# KiCad board Collins-FMS-3000.kicad_pcb
date: ${DATE}; rev: ${VERSION}
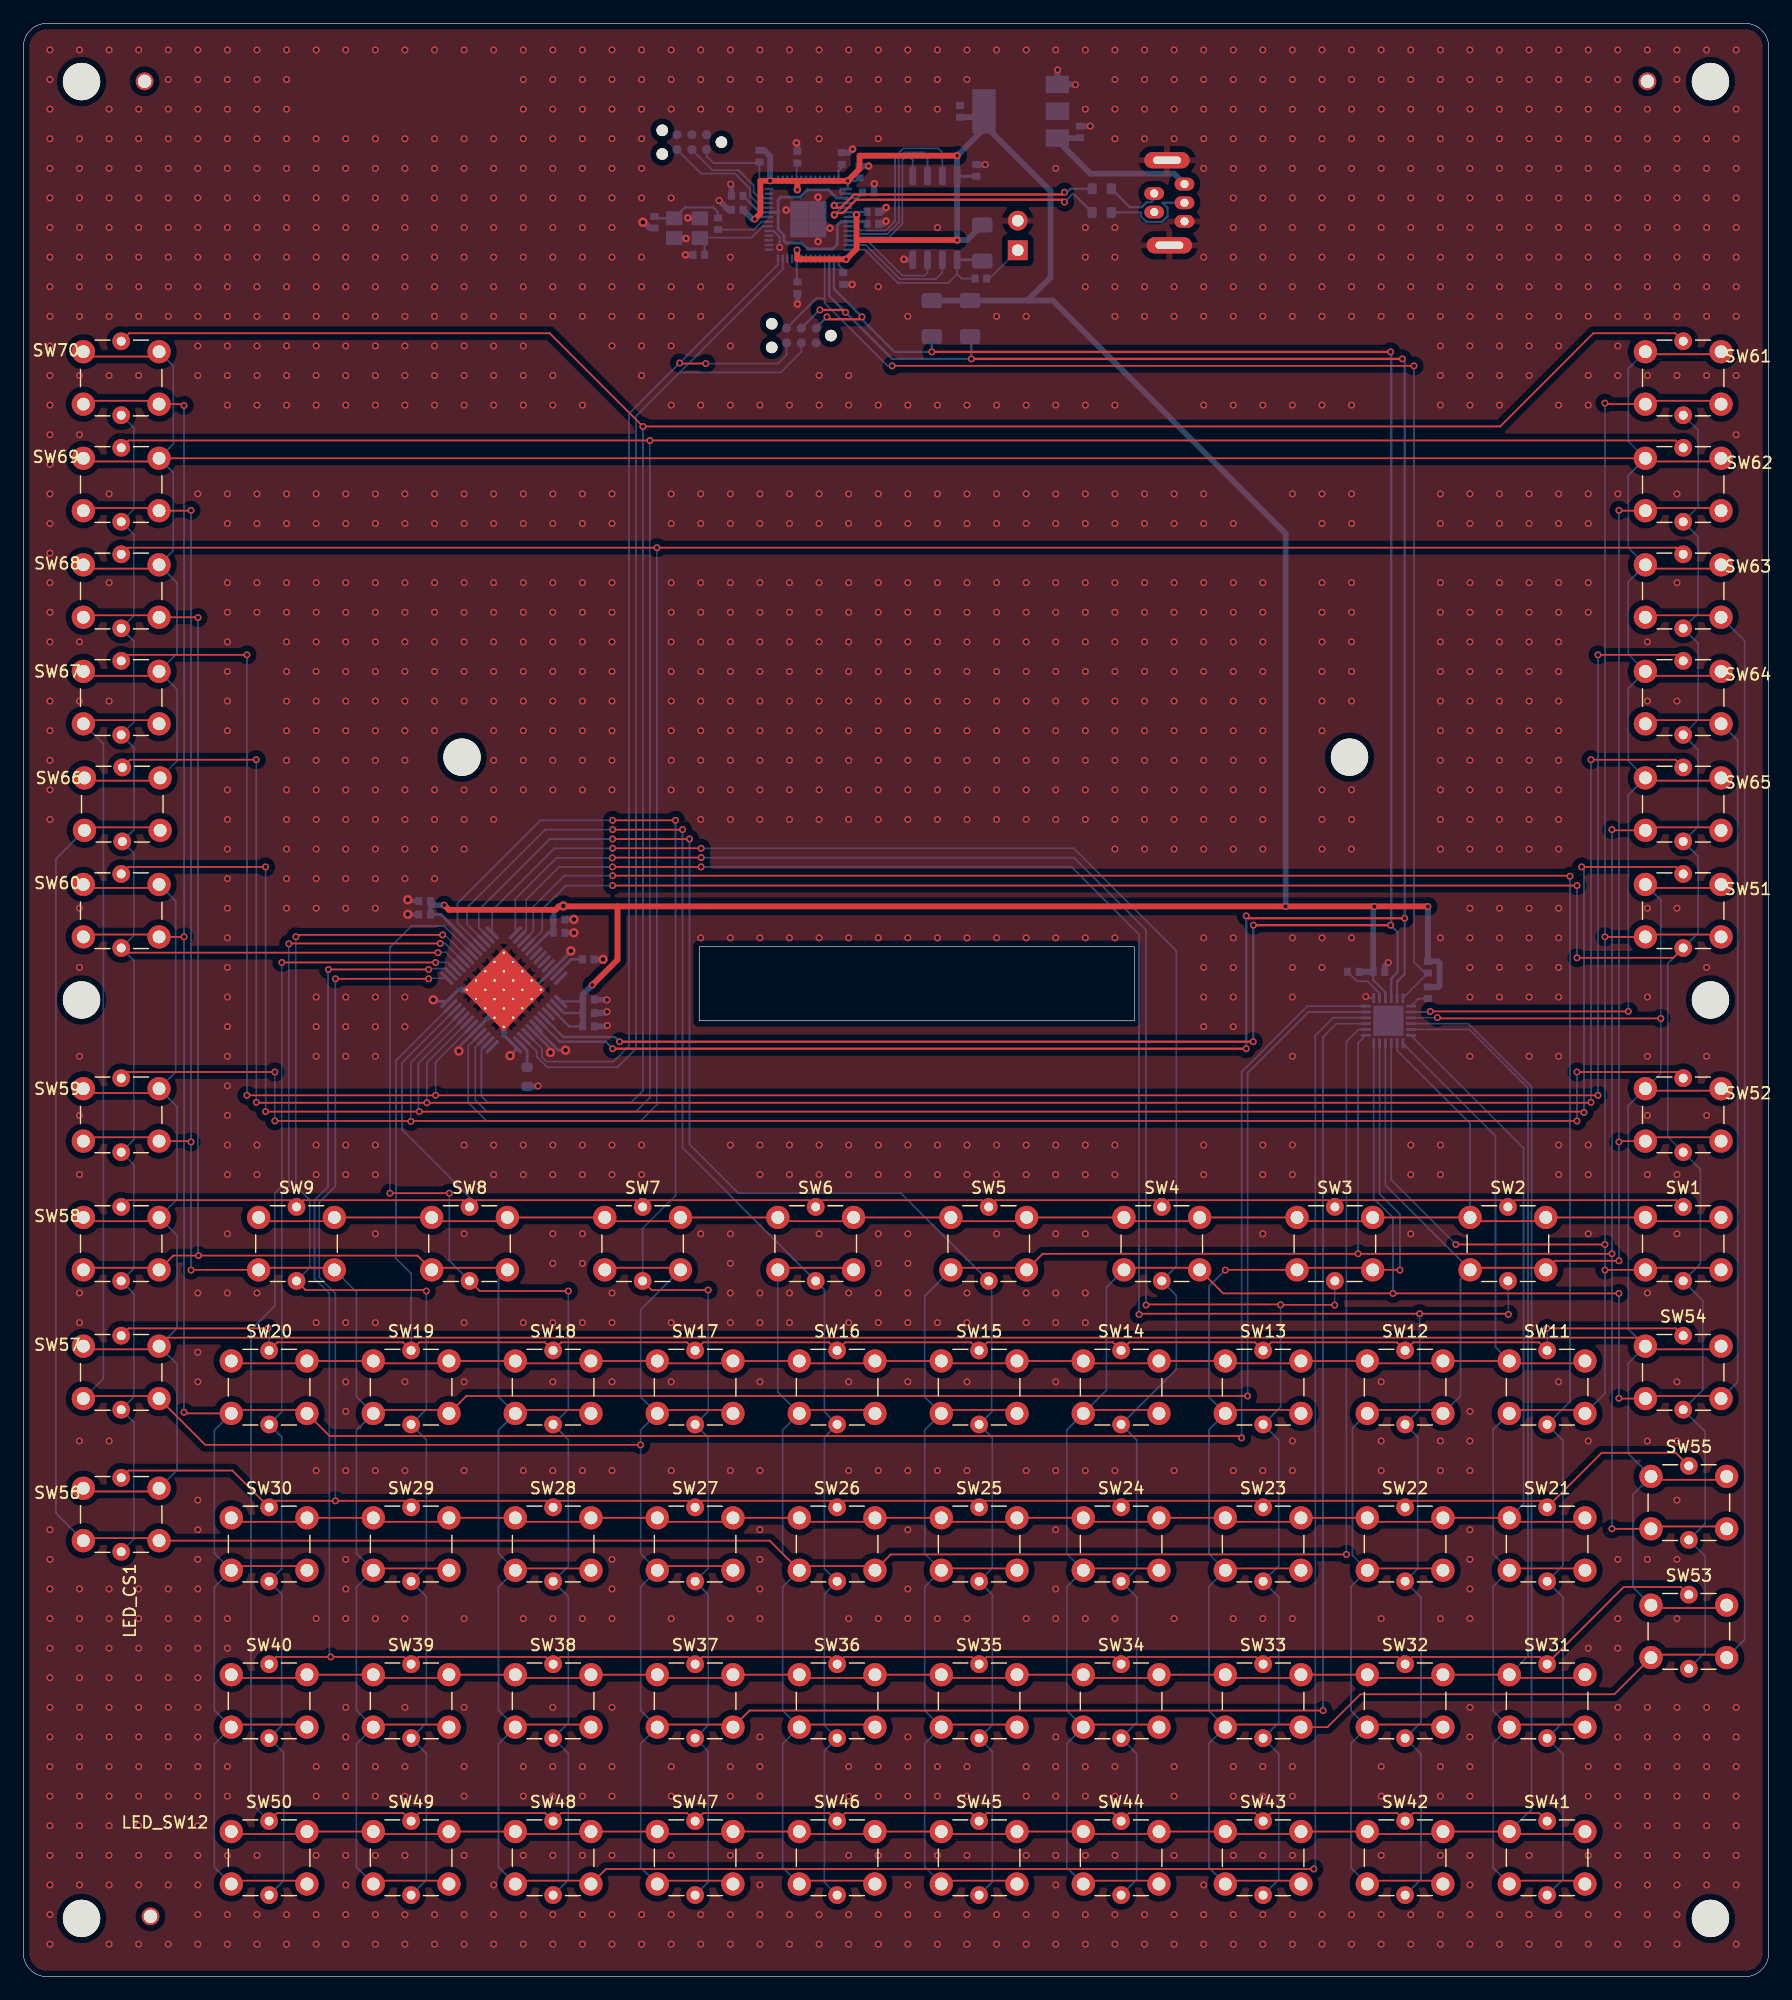
[diagram p0: board, top side]
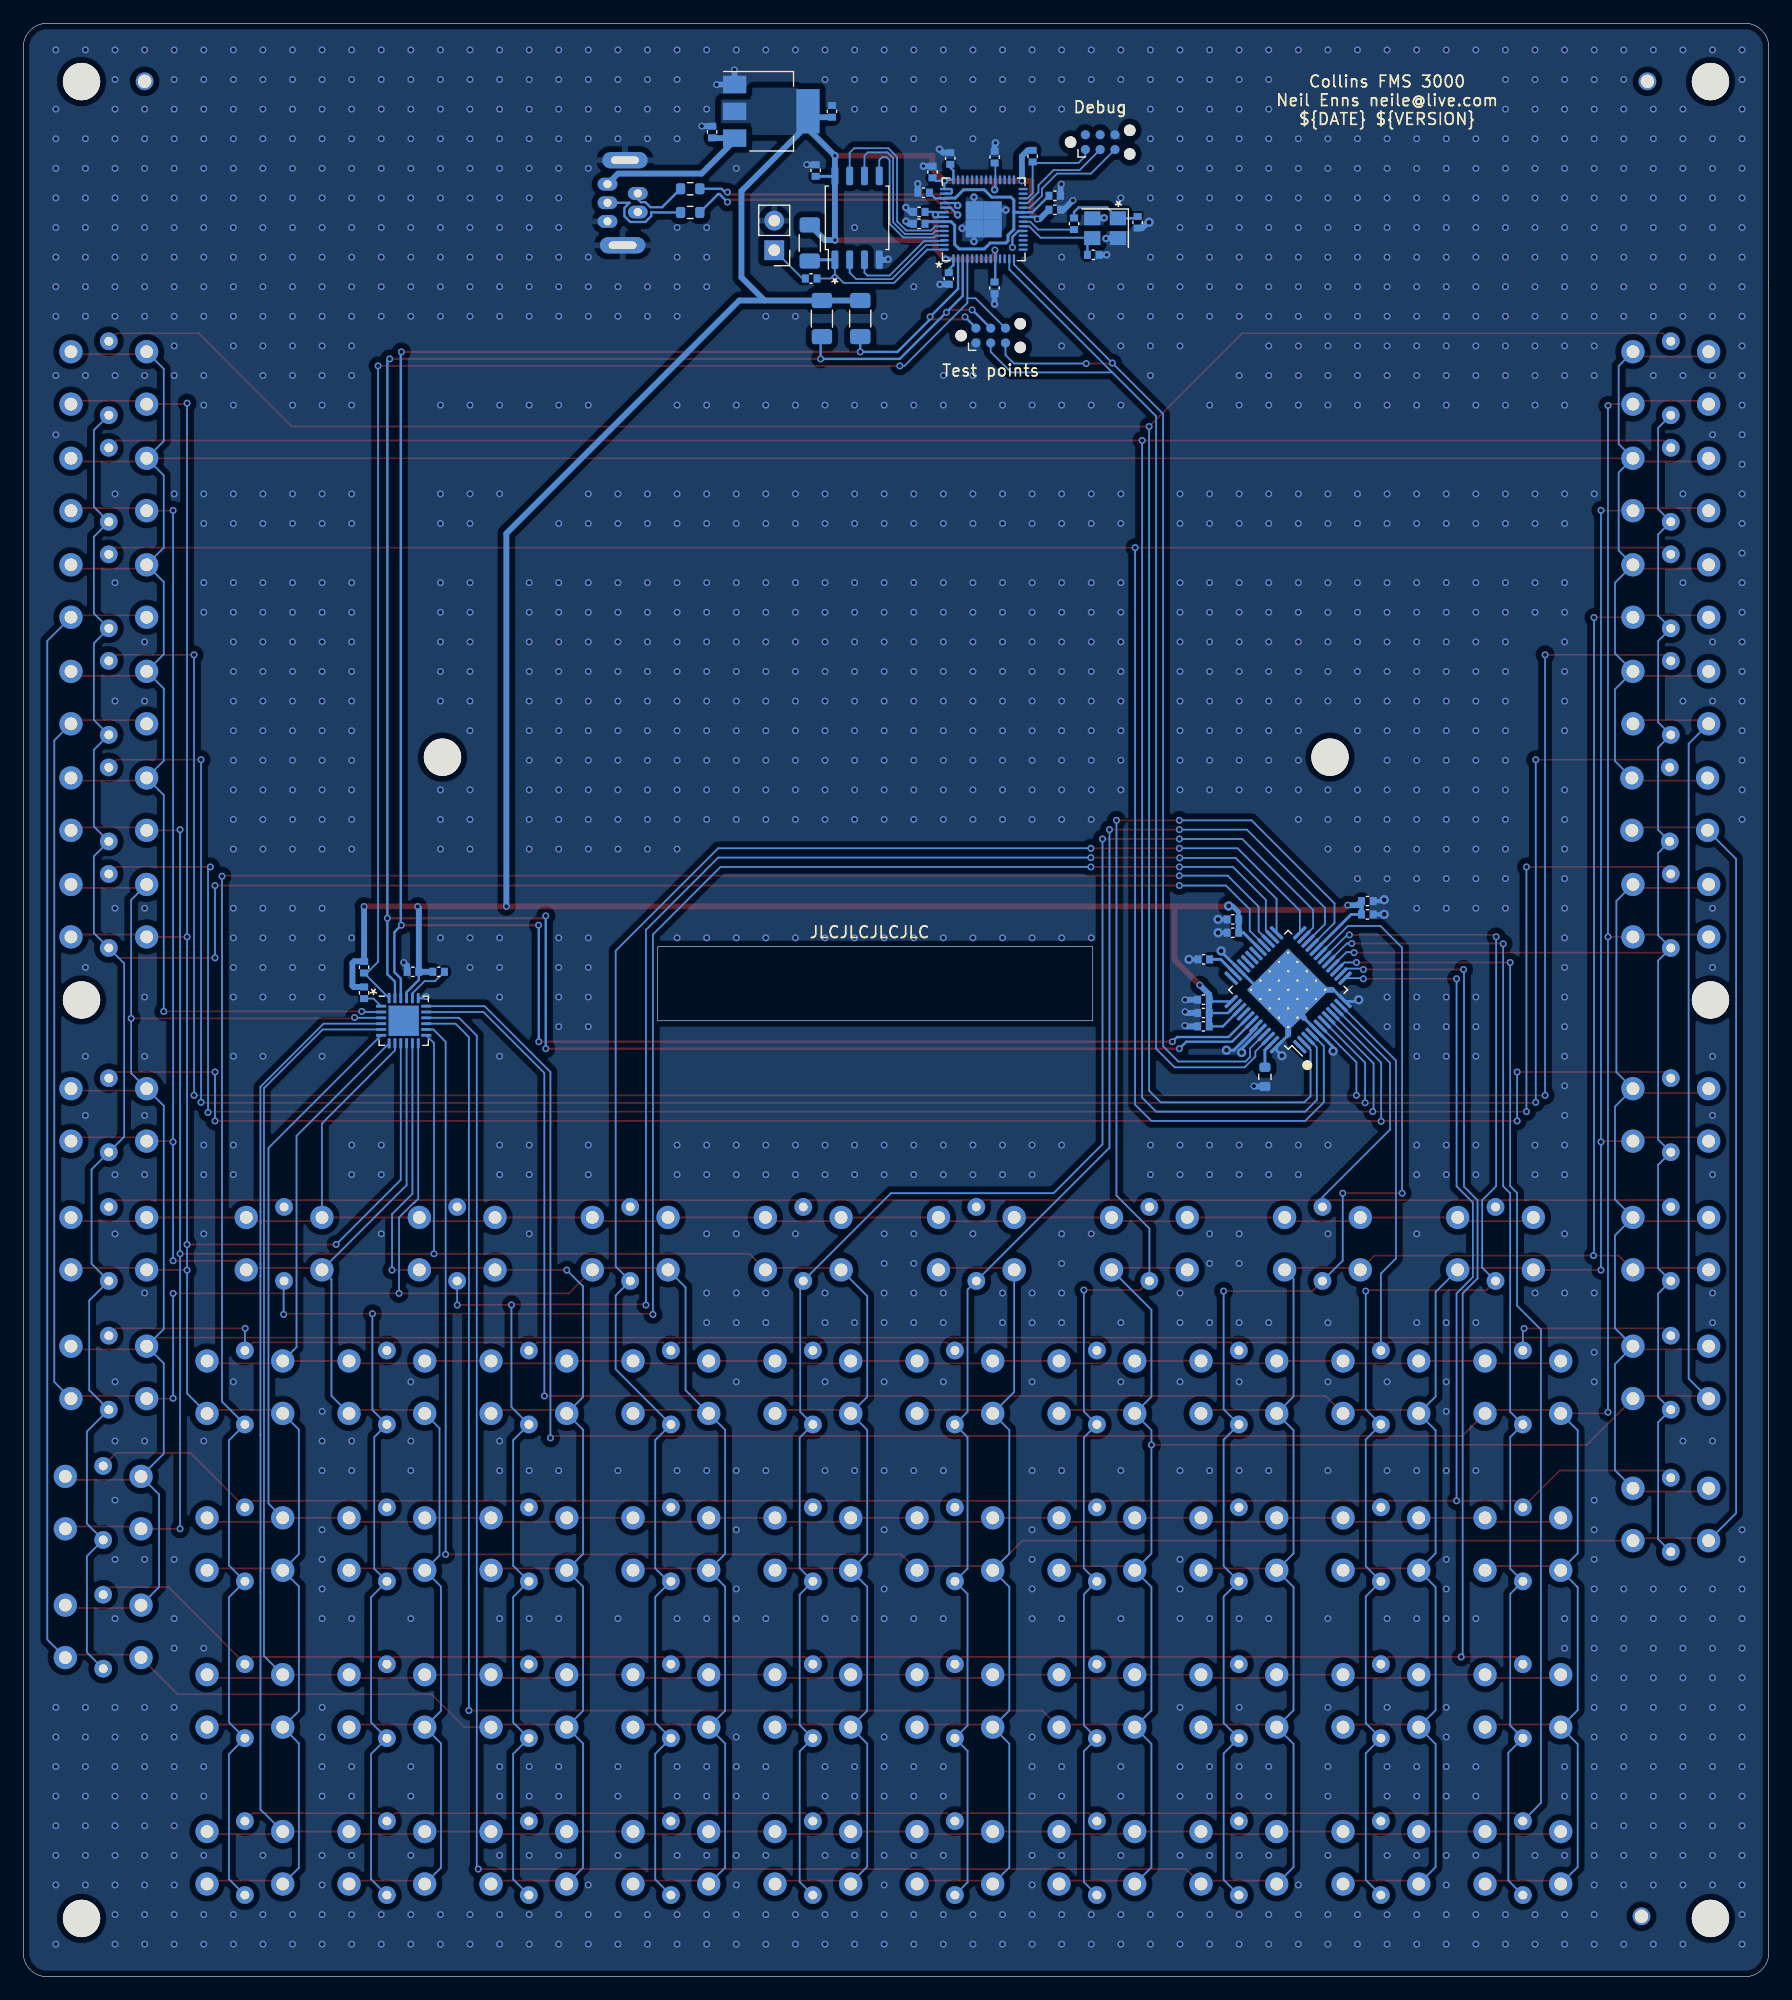
[diagram p1: board, bottom side, seen from below]

Outline 149.86 x 167.64 mm; copper layers: Top, Bottom. Coordinates in mm from the lower left corner of the outline.
Outline path: rectangle 58.04,88.4 95.4,82.04 ; 0,165.61 0,2.03 arc(0.6,0.6) 2.03,0 147.83,0 arc(149.26,0.6) 149.86,2.03 149.86,165.61 arc(149.26,167.04) 147.83,167.64 2.03,167.64 arc(0.6,167.04) 0,165.61
Stack: Top 0.035mm / dielectric 1.51mm FR4 er 4.5 / Bottom 0.035mm

## Placement (name value [footprint] x y rotation side)
C1  1uF  [Perfect_0402]  116.4 86.24 0 bottom
C5  10pF  [Perfect_0402]  58 147.77 180 bottom
C6  10pF  [Perfect_0402]  54.19 150.56 270 bottom
C7  10uF  [Perfect_0402]  90.72 158.31 90 bottom
C8  1uF  [Perfect_0402]  81.83 155.01 90 bottom
C9  10uF  [Perfect_0402]  80.43 160.08 90 bottom
C10  1uF  [Perfect_0402]  72.56 153.1 0 bottom
C11  1uF  [Perfect_0402]  61.3 152.84 180 bottom
C12  1uF  [Perfect_0402]  72.94 150.44 0 bottom
C13  1uF  [Perfect_0402]  71.8 154.88 90 bottom
C14  1uF  [Perfect_0402]  70.27 156.04 90 bottom
C15  1uF  [Perfect_0402]  66.46 156.15 90 bottom
C16  1uF  [Perfect_0402]  61.3 151.64 180 bottom
C17  1uF  [Perfect_0402]  66.47 144.94 270 bottom
C18  1uF  [Perfect_0402]  70.4 145.74 270 bottom
C19  1uF  [Perfect_0402]  72.94 151.45 0 bottom
C22  470nf  [Perfect_0402]  34.46 91.16 180 bottom
C23  470nf  [Perfect_0402]  46 89.59 0 bottom
C24  470nf  [Perfect_0402]  48.53 83.85 0 bottom
C25  100nf  [Perfect_0402]  34.46 92.31 180 bottom
C26  100nf  [Perfect_0402]  46 90.74 0 bottom
C27  100nf  [Perfect_0402]  48.53 82.7 0 bottom
C28  470nf  [Perfect_0402]  48.53 81.56 0 bottom
H1  MountingHole  [MountingHole_3.2mm_M3]  5 162.64 0 top
H2  MountingHole  [MountingHole_3.2mm_M3]  144.86 162.64 0 top
H3  MountingHole  [MountingHole_3.2mm_M3]  5 83.82 0 top
H4  MountingHole  [MountingHole_3.2mm_M3]  144.86 83.82 0 top
H5  MountingHole  [MountingHole_3.2mm_M3]  5 5 0 top
H6  MountingHole  [MountingHole_3.2mm_M3]  144.86 5 0 top
H7  MountingHole  [MountingHole_3.2mm_M3]  37.67 104.66 0 top
H8  MountingHole  [MountingHole_3.2mm_M3]  113.87 104.66 0 top
H9  MountingHole  [JLCPCB_Tooling_Hole]  10.41 162.56 0 top
H10  MountingHole  [JLCPCB_Tooling_Hole]  10.92 5.08 0 top
H11  MountingHole  [JLCPCB_Tooling_Hole]  139.45 162.56 0 top
J1  USB_B_Micro  [USB_B_Mini_Amphenol_UE25BE5510H]  98.4 152.24 90 bottom
J2  Conn_01x02  [PinHeader_1x02_P2.54mm_Vertical]  85.38 148.16 0 bottom
J3  TC2030-IDC-NL  [Tag-Connect_TC2030-IDC-NL_2x03_P1.27mm_Vertical]  66.8 140.84 180 bottom
J4  TC2030-IDC-NL  [Tag-Connect_TC2030-IDC-NL_2x03_P1.27mm_Vertical]  57.4 157.44 180 bottom
R1  1k  [Perfect_0402]  82.21 145.74 0 bottom
R2  1k  [Perfect_0402]  59.65 150.44 90 bottom
R3  DNF  [R_1206_3216Metric_Pad1.30x1.75mm_HandSolder]  82.34 148.79 270 bottom
R4  27  [R_0603_1608Metric]  92.6 151.41 180 bottom
R5  27  [R_0603_1608Metric]  92.6 153.44 180 bottom
R6  47k  [Perfect_0402]  48.5 87.31 0 bottom
R7  100k  [R_0603_1608Metric]  43.26 77.22 270 bottom
R8  10k  [Perfect_0402]  114.2 86.24 180 bottom
R9  10k  [Perfect_0402]  120.6 86.64 270 bottom
R10  10k  [R_1206_3216Metric_Pad1.30x1.75mm_HandSolder]  81.29 142.3 270 bottom
R11  10k  [R_1206_3216Metric_Pad1.30x1.75mm_HandSolder]  78 142.3 270 bottom
R12  10k  [Perfect_0402]  120.6 84.44 270 bottom
R13  10k  [Perfect_0402]  63.2 156.24 270 bottom
SW1  SW_Push_LED  [SW_PUSH_LED_THT]  142.47 62.96 0 top
SW2  SW_Push_LED  [SW_PUSH_LED_THT]  127.42 62.96 0 top
SW3  SW_Push_LED  [SW_PUSH_LED_THT]  112.56 62.96 0 top
SW4  SW_Push_LED  [SW_PUSH_LED_THT]  97.7 62.96 0 top
SW5  SW_Push_LED  [SW_PUSH_LED_THT]  82.84 62.96 0 top
SW6  SW_Push_LED  [SW_PUSH_LED_THT]  67.99 62.96 0 top
SW7  SW_Push_LED  [SW_PUSH_LED_THT]  53.13 62.96 0 top
SW8  SW_Push_LED  [SW_PUSH_LED_THT]  38.27 62.96 0 top
SW9  SW_Push_LED  [SW_PUSH_LED_THT]  23.41 62.96 0 top
SW11  SW_Push_LED  [SW_PUSH_LED_THT]  130.79 50.64 0 top
SW12  SW_Push_LED  [SW_PUSH_LED_THT]  118.59 50.64 0 top
SW13  SW_Push_LED  [SW_PUSH_LED_THT]  106.4 50.64 0 top
SW14  SW_Push_LED  [SW_PUSH_LED_THT]  94.21 50.64 0 top
SW15  SW_Push_LED  [SW_PUSH_LED_THT]  82.02 50.64 0 top
SW16  SW_Push_LED  [SW_PUSH_LED_THT]  69.83 50.64 0 top
SW17  SW_Push_LED  [SW_PUSH_LED_THT]  57.63 50.64 0 top
SW18  SW_Push_LED  [SW_PUSH_LED_THT]  45.44 50.64 0 top
SW19  SW_Push_LED  [SW_PUSH_LED_THT]  33.25 50.64 0 top
SW20  SW_Push_LED  [SW_PUSH_LED_THT]  21.06 50.64 0 top
SW21  SW_Push_LED  [SW_PUSH_LED_THT]  130.79 37.18 0 top
SW22  SW_Push_LED  [SW_PUSH_LED_THT]  118.59 37.18 0 top
SW23  SW_Push_LED  [SW_PUSH_LED_THT]  106.4 37.18 0 top
SW24  SW_Push_LED  [SW_PUSH_LED_THT]  94.21 37.18 0 top
SW25  SW_Push_LED  [SW_PUSH_LED_THT]  82.02 37.18 0 top
SW26  SW_Push_LED  [SW_PUSH_LED_THT]  69.83 37.18 0 top
SW27  SW_Push_LED  [SW_PUSH_LED_THT]  57.63 37.18 0 top
SW28  SW_Push_LED  [SW_PUSH_LED_THT]  45.44 37.18 0 top
SW29  SW_Push_LED  [SW_PUSH_LED_THT]  33.25 37.18 0 top
SW30  SW_Push_LED  [SW_PUSH_LED_THT]  21.06 37.18 0 top
SW31  SW_Push_LED  [SW_PUSH_LED_THT]  130.79 23.72 0 top
SW32  SW_Push_LED  [SW_PUSH_LED_THT]  118.59 23.72 0 top
SW33  SW_Push_LED  [SW_PUSH_LED_THT]  106.4 23.72 0 top
SW34  SW_Push_LED  [SW_PUSH_LED_THT]  94.21 23.72 0 top
SW35  SW_Push_LED  [SW_PUSH_LED_THT]  82.02 23.72 0 top
SW36  SW_Push_LED  [SW_PUSH_LED_THT]  69.83 23.72 0 top
SW37  SW_Push_LED  [SW_PUSH_LED_THT]  57.63 23.72 0 top
SW38  SW_Push_LED  [SW_PUSH_LED_THT]  45.44 23.72 0 top
SW39  SW_Push_LED  [SW_PUSH_LED_THT]  33.25 23.72 0 top
SW40  SW_Push_LED  [SW_PUSH_LED_THT]  21.06 23.72 0 top
SW41  SW_Push_LED  [SW_PUSH_LED_THT]  130.79 10.25 0 top
SW42  SW_Push_LED  [SW_PUSH_LED_THT]  118.59 10.25 0 top
SW43  SW_Push_LED  [SW_PUSH_LED_THT]  106.4 10.25 0 top
SW44  SW_Push_LED  [SW_PUSH_LED_THT]  94.21 10.25 0 top
SW45  SW_Push_LED  [SW_PUSH_LED_THT]  82.02 10.25 0 top
SW46  SW_Push_LED  [SW_PUSH_LED_THT]  69.83 10.25 0 top
SW47  SW_Push_LED  [SW_PUSH_LED_THT]  57.63 10.25 0 top
SW48  SW_Push_LED  [SW_PUSH_LED_THT]  45.44 10.25 0 top
SW49  SW_Push_LED  [SW_PUSH_LED_THT]  33.25 10.25 0 top
SW50  SW_Push_LED  [SW_PUSH_LED_THT]  21.06 10.25 0 top
SW51  SW_Push_LED  [SW_PUSH_LED_THT]  142.47 91.53 0 top
SW52  SW_Push_LED  [SW_PUSH_LED_THT]  142.47 74.01 0 top
SW53  SW_Push_LED  [SW_PUSH_LED_THT]  142.95 29.68 0 top
SW54  SW_Push_LED  [SW_PUSH_LED_THT]  142.47 51.91 0 top
SW55  SW_Push_LED  [SW_PUSH_LED_THT]  142.95 40.73 0 top
SW56  SW_Push_LED  [SW_PUSH_LED_THT]  8.36 39.72 0 top
SW57  SW_Push_LED  [SW_PUSH_LED_THT]  8.36 51.91 0 top
SW58  SW_Push_LED  [SW_PUSH_LED_THT]  8.36 62.96 0 top
SW59  SW_Push_LED  [SW_PUSH_LED_THT]  8.36 74.01 0 top
SW60  SW_Push_LED  [SW_PUSH_LED_THT]  8.36 91.53 0 top
SW61  SW_Push_LED  [SW_PUSH_LED_THT]  142.47 137.25 0 top
SW62  SW_Push_LED  [SW_PUSH_LED_THT]  142.47 128.11 0 top
SW63  SW_Push_LED  [SW_PUSH_LED_THT]  142.47 118.97 0 top
SW64  SW_Push_LED  [SW_PUSH_LED_THT]  142.47 109.82 0 top
SW65  SW_Push_LED  [SW_PUSH_LED_THT]  142.47 100.68 0 top
SW66  SW_Push_LED  [SW_PUSH_LED_THT]  8.45 100.68 0 top
SW67  SW_Push_LED  [SW_PUSH_LED_THT]  8.36 109.82 0 top
SW68  SW_Push_LED  [SW_PUSH_LED_THT]  8.36 118.97 0 top
SW69  SW_Push_LED  [SW_PUSH_LED_THT]  8.36 128.11 0 top
SW70  SW_Push_LED  [SW_PUSH_LED_THT]  8.36 137.25 0 top
U1  AMS1117-3.3  [SOT-223-3_TabPin2]  85.64 160.09 180 bottom
U2  TCA8418  [WQFN-24-1EP_4x4mm_P0.5mm_EP2.6x2.6mm]  117.2 82.04 180 bottom
U4  IS31FL3733B  [TQFP-48-1EP_7x7mm_P0.5mm_EP5x5mm_ThermalVias]  41.26 84.7 45 bottom
U5  W25Q128JVS  [SOIC-8_5.23x5.23mm_P1.27mm]  78.27 150.94 90 bottom
U6  RP2040  [QFN56P40_700X700X90L40X18T310N]  67.4 150.82 180 bottom
Y1  X322512MSB4SI  [Crystal_SMD_3225-4Pin_3.2x2.5mm]  56.98 150.06 0 bottom

## Library data of the parts
C1 C8 C10-C19 = -: JLC: 0402; MPN - JLCPCB: C52923
C5 C6 = -: JLC: 0402; MPN - JLCPCB: C32949
C7 C9 = -: JLC: 0603; MPN - JLCPCB: C19702
C22-C24 C28 = -: JLC: 0402; MPN - JLCPCB: C47339
C25-C27 = -: JLC: 0402; MPN - JLCPCB: C1525
R1 R2 = -: JLC: 0402; MPN - JLCPCB: C11702
R4 R5 = -: JLC: 0603; MPN - JLCPCB: C25190
R6 = -: JLC: 0402; MPN - JLCPCB: C25792
R7 = -: JLC: 0603; MPN - JLCPCB: C25803
R8 R9 R12 R13 = -: MPN - JLCPCB: C25744
R10 R11 = -: MPN - JLCPCB: C17902
U1 = -: JLC: SOT-223; MPN - JLCPCB: C6186
U2 = -: MPN - JLCPCB: C138713
U5 = -: JLC: SOIC-8_5.3x5.3x1.27P; MPN - JLCPCB: C97521
U6 = -: JLC: LQFN-56_EP_7.0x7.0x0.4P; MPN - JLCPCB: C2040
Y1 = -: JLC: SMD-3225_4P; MPN - JLCPCB: C9002

## Footprints (pads in the part's own frame, mm; a bottom-side part is the same pattern mirrored in y, then rotated)
Crystal_SMD_3225-4Pin_3.2x2.5mm
  rect 1.4x1.2 smd: 1(-1.1,-0.85) 2(1.1,-0.85) 3(1.1,0.85) 4(-1.1,0.85)
JLCPCB_Tooling_Hole
  round 1.524 hole 1.152 unplated: (0,0.1)
MountingHole_3.2mm_M3
  round 3.2 hole 3.2 unplated: (0,0)
Perfect_0402
  rect 0.6x0.7 smd: 1(-0.5,0) 2(0.5,0)
PinHeader_1x02_P2.54mm_Vertical
  rect 1.7x1.7 hole 1: 1(0,0)
  oval 1.7x1.7 hole 1: 2(0,-2.54)
QFN56P40_700X700X90L40X18T310N
  rect 1.1x1.1 smd: (-0.775,-0.775) (-0.775,0.775) (0.775,-0.775) (0.775,0.775)
  rrect 0.2x0.76 smd: 1(-2.6,-3.385) 2(-2.2,-3.385) 3(-1.8,-3.385) 4(-1.4,-3.385) 5(-1,-3.385) 6(-0.6,-3.385) 7(-0.2,-3.385) 8(0.2,-3.385) 9(0.6,-3.385) 10(1,-3.385) 11(1.4,-3.385) 12(1.8,-3.385) 13(2.2,-3.385) 14(2.6,-3.385) 29(2.6,3.385) 30(2.2,3.385) 31(1.8,3.385) 32(1.4,3.385) 33(1,3.385) 34(0.6,3.385) 35(0.2,3.385) 36(-0.2,3.385) 37(-0.6,3.385) 38(-1,3.385) 39(-1.4,3.385) 40(-1.8,3.385) 41(-2.2,3.385) 42(-2.6,3.385)
  rrect 0.76x0.2 smd: 15(3.385,-2.6) 16(3.385,-2.2) 17(3.385,-1.8) 18(3.385,-1.4) 19(3.385,-1) 20(3.385,-0.6) 21(3.385,-0.2) 22(3.385,0.2) 23(3.385,0.6) 24(3.385,1) 25(3.385,1.4) 26(3.385,1.8) 27(3.385,2.2) 28(3.385,2.6) 43(-3.385,2.6) 44(-3.385,2.2) 45(-3.385,1.8) 46(-3.385,1.4) 47(-3.385,1) 48(-3.385,0.6) 49(-3.385,0.2) 50(-3.385,-0.2) 51(-3.385,-0.6) 52(-3.385,-1) 53(-3.385,-1.4) 54(-3.385,-1.8) 55(-3.385,-2.2) 56(-3.385,-2.6)
  rect 1.55x1.55 smd: 57(-0.775,-0.775) 57(-0.775,0.775) 57(0.775,-0.775) 57(0.775,0.775)
R_0603_1608Metric
  rrect 0.8x0.95 smd: 1(-0.825,0) 2(0.825,0)
R_1206_3216Metric_Pad1.30x1.75mm_HandSolder
  rrect 1.3x1.75 smd: 1(-1.55,0) 2(1.55,0)
SOIC-8_5.23x5.23mm_P1.27mm
  rrect 1.6x0.6 smd: 1(-3.6,1.905) 2(-3.6,0.635) 3(-3.6,-0.635) 4(-3.6,-1.905) 5(3.6,-1.905) 6(3.6,-0.635) 7(3.6,0.635) 8(3.6,1.905)
SOT-223-3_TabPin2
  rect 2x1.5 smd: 1(-3.15,2.3) 2(-3.15,0) 3(-3.15,-2.3)
  rect 2x3.8 smd: 2(3.15,0)
SW_PUSH_LED_THT
  round 2 hole 1.1: 1(-3.202,2.202) 1(3.298,2.202) 2(-3.202,-2.298) 2(3.298,-2.298)
  round 1.524 hole 0.762: 3(0.048,3.102) 4(0.048,-3.248)
Tag-Connect_TC2030-IDC-NL_2x03_P1.27mm_Vertical
  round 0.991 hole 0.991 unplated: (-2.54,0) (2.54,-1.016) (2.54,1.016)
  round 0.787 smd: 1(-1.27,-0.635) 2(-1.27,0.635) 3(0,-0.635) 4(0,0.635) 5(1.27,-0.635) 6(1.27,0.635)
TQFP-48-1EP_7x7mm_P0.5mm_EP5x5mm_ThermalVias
  custom 1.008x1.008 smd: (-1.688,-1.688) (-1.688,-0.562) (-1.688,0.562) (-1.688,1.688) (-0.562,-1.688) (-0.562,-0.562) (-0.562,0.562) (-0.562,1.688) (0.562,-1.688) (0.562,-0.562) (0.562,0.562) (0.562,1.688) (1.688,-1.688) (1.688,-0.562) (1.688,0.562) (1.688,1.688)
  rrect 1.475x0.3 smd: 1(-4.162,2.75) 2(-4.162,2.25) 3(-4.162,1.75) 4(-4.162,1.25) 5(-4.162,0.75) 6(-4.162,0.25) 7(-4.162,-0.25) 8(-4.162,-0.75) 9(-4.162,-1.25) 10(-4.162,-1.75) 11(-4.162,-2.25) 12(-4.162,-2.75) 25(4.162,-2.75) 26(4.162,-2.25) 27(4.162,-1.75) 28(4.162,-1.25) 29(4.162,-0.75) 30(4.162,-0.25) 31(4.162,0.25) 32(4.162,0.75) 33(4.162,1.25) 34(4.162,1.75) 35(4.162,2.25) 36(4.162,2.75)
  rrect 0.3x1.475 smd: 13(-2.75,-4.162) 14(-2.25,-4.162) 15(-1.75,-4.162) 16(-1.25,-4.162) 17(-0.75,-4.162) 18(-0.25,-4.162) 19(0.25,-4.162) 20(0.75,-4.162) 21(1.25,-4.162) 22(1.75,-4.162) 23(2.25,-4.162) 24(2.75,-4.162) 37(2.75,4.162) 38(2.25,4.162) 39(1.75,4.162) 40(1.25,4.162) 41(0.75,4.162) 42(0.25,4.162) 43(-0.25,4.162) 44(-0.75,4.162) 45(-1.25,4.162) 46(-1.75,4.162) 47(-2.25,4.162) 48(-2.75,4.162)
  round 0.5 hole 0.2: 49(-2.25,-2.25) 49(-2.25,-1.125) 49(-2.25,0) 49(-2.25,1.125) 49(-2.25,2.25) 49(-1.125,-2.25) 49(-1.125,-1.125) 49(-1.125,0) 49(-1.125,1.125) 49(-1.125,2.25) 49(0,-2.25) 49(0,-1.125) 49(0,0) 49(0,1.125) 49(0,2.25) 49(1.125,-2.25) 49(1.125,-1.125) 49(1.125,0) 49(1.125,1.125) 49(1.125,2.25) 49(2.25,-2.25) 49(2.25,-1.125) 49(2.25,0) 49(2.25,1.125) 49(2.25,2.25)
  rect 5x5 smd far side: 49(0,0)
  rect 5x5 smd: 49(0,0)
USB_B_Mini_Amphenol_UE25BE5510H
  oval 1.1x1.7 hole 0.7: 1(1.6,1.3) 2(0.8,-1.3) 3(0,1.3) 4(-0.8,-1.3) 5(-1.6,1.3)
  oval 1.4x3.9 hole 0.65x2.4: 6(-3.65,0) 6(3.65,-0.2)
WQFN-24-1EP_4x4mm_P0.5mm_EP2.6x2.6mm
  rrect 1.05x1.05 smd: (-0.65,-0.65) (-0.65,0.65) (0.65,-0.65) (0.65,0.65)
  rrect 0.875x0.25 smd: 1(-1.938,1.25) 2(-1.938,0.75) 3(-1.938,0.25) 4(-1.938,-0.25) 5(-1.938,-0.75) 6(-1.938,-1.25) 13(1.938,-1.25) 14(1.938,-0.75) 15(1.938,-0.25) 16(1.938,0.25) 17(1.938,0.75) 18(1.938,1.25)
  rrect 0.25x0.875 smd: 7(-1.25,-1.938) 8(-0.75,-1.938) 9(-0.25,-1.938) 10(0.25,-1.938) 11(0.75,-1.938) 12(1.25,-1.938) 19(1.25,1.938) 20(0.75,1.938) 21(0.25,1.938) 22(-0.25,1.938) 23(-0.75,1.938) 24(-1.25,1.938)
  rect 2.6x2.6 smd: 25(0,0)

## Nets
+1V1: C10.1 C11.1 C12.1 U6.23 U6.45 U6.50
+3V3: C1.1 C8.1 C9.1 C13.1 C14.1 C15.1 C16.1 C17.1 C18.1 C19.1 C22.1 C23.1 C24.1 C25.1 C26.1 C27.1 C28.1 R3.1 R8.1 R9.1 R10.1 R11.1 R12.1 R13.1 U1.2 U2.21 U4.20 U4.29 U4.37 U4.38 U4.39 U5.8 U6.1 U6.10 U6.22 U6.33 U6.42 U6.43 U6.44 U6.48 U6.49
GND: C1.2 C5.2 C6.2 C7.2 C8.2 C9.2 C10.2 C11.2 C12.2 C13.2 C14.2 C15.2 C16.2 C17.2 C18.2 C19.2 C22.2 C23.2 C24.2 C25.2 C26.2 C27.2 C28.2 J1.5 J1.6 J2.2 J3.1 J4.6 R6.2 R7.2 U1.1 U2.19 U4.5 U4.12 U4.34 U4.43 U4.44 U4.48 U4.49 U5.4 U6.19 U6.57 Y1.2 Y1.4
VBUS: C7.1 J1.1 U1.3
/Buttons/COL0: SW1.2 SW11.2 SW21.2 SW31.2 SW41.2 SW51.2 SW61.2 U2.9
/Buttons/COL1: SW2.2 SW12.2 SW22.2 SW32.2 SW42.2 SW52.2 SW62.2 U2.10
/Buttons/COL2: SW3.2 SW13.2 SW23.2 SW33.2 SW43.2 SW53.2 SW63.2 U2.11
/Buttons/COL3: SW4.2 SW14.2 SW24.2 SW34.2 SW44.2 SW54.2 SW64.2 U2.12
/Buttons/COL4: SW5.2 SW15.2 SW25.2 SW35.2 SW45.2 SW55.2 SW65.2 U2.13
/Buttons/COL5: SW6.2 SW16.2 SW26.2 SW36.2 SW46.2 SW56.2 SW66.2 U2.14
/Buttons/COL6: SW7.2 SW17.2 SW27.2 SW37.2 SW47.2 SW57.2 SW67.2 U2.15
/Buttons/COL7: SW8.2 SW18.2 SW28.2 SW38.2 SW48.2 SW58.2 SW68.2 U2.16
/Buttons/COL8: SW9.2 SW19.2 SW29.2 SW39.2 SW49.2 SW59.2 SW69.2 U2.17
/Buttons/COL9: SW20.2 SW30.2 SW40.2 SW50.2 SW60.2 SW70.2 U2.18
/Buttons/ROW0: SW1.1 SW2.1 SW3.1 SW4.1 SW5.1 SW6.1 SW7.1 SW8.1 SW9.1 U2.8
/Buttons/ROW1: SW11.1 SW12.1 SW13.1 SW14.1 SW15.1 SW16.1 SW17.1 SW18.1 SW19.1 SW20.1 U2.7
/Buttons/ROW2: SW21.1 SW22.1 SW23.1 SW24.1 SW25.1 SW26.1 SW27.1 SW28.1 SW29.1 SW30.1 U2.6
/Buttons/ROW3: SW31.1 SW32.1 SW33.1 SW34.1 SW35.1 SW36.1 SW37.1 SW38.1 SW39.1 SW40.1 U2.5
/Buttons/ROW4: SW41.1 SW42.1 SW43.1 SW44.1 SW45.1 SW46.1 SW47.1 SW48.1 SW49.1 SW50.1 U2.4
/Buttons/ROW5: SW51.1 SW52.1 SW53.1 SW54.1 SW55.1 SW56.1 SW57.1 SW58.1 SW59.1 SW60.1 U2.3
/Buttons/ROW6: SW61.1 SW62.1 SW63.1 SW64.1 SW65.1 SW66.1 SW67.1 SW68.1 SW69.1 SW70.1 U2.2
/Buttons/ROW7: R12.2 U2.1
/Buttons/~{RESET}: R8.2 U2.20
/I2C_SCL: J3.4 R10.2 U2.23 U4.42 U6.3
/I2C_SDA: J3.2 R11.2 U2.22 U4.41 U6.2
/KEY_INT: J3.6 R9.2 U2.24 U6.4
/LED Matrix/CS1: SW56.4 SW57.4 SW58.4 SW59.4 SW60.4 SW66.4 SW67.4 SW68.4 SW69.4 SW70.4 U4.16
/LED Matrix/CS2: SW20.4 SW30.4 SW40.4 SW50.4 U4.17
/LED Matrix/CS3: SW9.4 SW19.4 SW29.4 SW39.4 SW49.4 U4.18
/LED Matrix/CS4: SW8.4 SW18.4 SW28.4 SW38.4 SW48.4 U4.19
/LED Matrix/CS5: SW7.4 SW17.4 SW27.4 SW37.4 SW47.4 U4.21
/LED Matrix/CS6: SW6.4 SW16.4 SW26.4 SW36.4 SW46.4 U4.22
/LED Matrix/CS7: SW5.4 SW15.4 SW25.4 SW35.4 SW45.4 U4.23
/LED Matrix/CS8: SW4.4 SW14.4 SW24.4 SW34.4 SW44.4 U4.24
/LED Matrix/CS9: SW3.4 SW13.4 SW23.4 SW33.4 SW43.4 U4.25
/LED Matrix/CS10: SW2.4 SW12.4 SW22.4 SW32.4 SW42.4 U4.26
/LED Matrix/CS11: SW11.4 SW21.4 SW31.4 SW41.4 U4.27
/LED Matrix/CS12: SW1.4 SW51.4 SW52.4 SW53.4 SW54.4 SW55.4 SW61.4 SW62.4 SW63.4 SW64.4 SW65.4 U4.28
/LED Matrix/SW1: SW61.3 SW70.3 U4.2
/LED Matrix/SW2: SW62.3 SW69.3 U4.3
/LED Matrix/SW3: SW63.3 SW68.3 U4.4
/LED Matrix/SW4: SW64.3 SW67.3 U4.6
/LED Matrix/SW5: SW65.3 SW66.3 U4.7
/LED Matrix/SW6: SW51.3 SW60.3 U4.8
/LED Matrix/SW7: SW52.3 SW59.3 U4.9
/LED Matrix/SW8: SW1.3 SW2.3 SW3.3 SW4.3 SW5.3 SW6.3 SW7.3 SW8.3 SW9.3 SW58.3 U4.10
/LED Matrix/SW9: SW11.3 SW12.3 SW13.3 SW14.3 SW15.3 SW16.3 SW17.3 SW18.3 SW19.3 SW20.3 SW54.3 SW57.3 U4.11
/LED Matrix/SW10: SW21.3 SW22.3 SW23.3 SW24.3 SW25.3 SW26.3 SW27.3 SW28.3 SW29.3 SW30.3 SW55.3 SW56.3 U4.13
/LED Matrix/SW11: SW31.3 SW32.3 SW33.3 SW34.3 SW35.3 SW36.3 SW37.3 SW38.3 SW39.3 SW40.3 SW53.3 U4.14
/LED Matrix/SW12: SW41.3 SW42.3 SW43.3 SW44.3 SW45.3 SW46.3 SW47.3 SW48.3 SW49.3 SW50.3 U4.15
/LED_INTB: J3.5 U4.45 U6.14
/RP2040/QSPI_SCLK: U5.6 U6.52
/RP2040/QSPI_SD0: U5.5 U6.53
/RP2040/QSPI_SD1: U5.2 U6.55
/RP2040/QSPI_SD2: U5.3 U6.54
/RP2040/QSPI_SD3: U5.7 U6.51
/RP2040/QSPI_SS: R1.1 R3.2 U5.1 U6.56
/RP2040/SWCLK: J4.5 U6.24
/RP2040/SWD: J4.3 U6.25
/RP2040/USB_D+: J1.3 R4.1
/RP2040/USB_D-: J1.2 R5.1
/RP2040/USB_D_R+: R4.2 U6.47
/RP2040/USB_D_R-: R5.2 U6.46
/RP2040/XIN: C5.1 U6.20 Y1.3
/RP2040/XOUT: C6.1 R2.2 Y1.1
/RP2040/XOUT_R: R2.1 U6.21
/RP2040/~{RST}: J4.1 R13.2 U6.26
/RP2040/~{USB_BOOT}: J2.1 R1.2
/SDB: J3.3 U4.46 U6.13
Net-(R6-Pad1): R6.1 U4.35
Net-(R7-Pad1): R7.1 U4.47

Pads without a net: J1 4; J4 2 4; U2 25; U4 1 30 31 32 33 36 40; U6 5 6 7 8 9 11 12 15 16 17 18 27 28 29 30 31 32 34 35 36 37 38 39 40 41

## Via types
v1: diameter 0.6, hole 0.35, Top to Bottom, 1831 vias
v2: diameter 0.8, hole 0.4, Top to Bottom, 13 vias
v3: diameter 0.65, hole 0.3, Top to Bottom, 24 vias
